# Altium PCB Copy of Board.PcbDoc (part 3 of 4)
Units mm, origin at the board's own origin, x right, y up, seen from the top; angles counter-clockwise.
Board outline 69.6 x 30 mm, 6 copper layers (Top Layer, Int1 (GND), Int2 (Sign), Int3 (Sign), Int4 (PWR), Bottom Layer), stack 1.538 mm thick; 168 components, 266 nets, 1359 pads, 531 vias.
Unrouted connection lines stored in the file: 254.
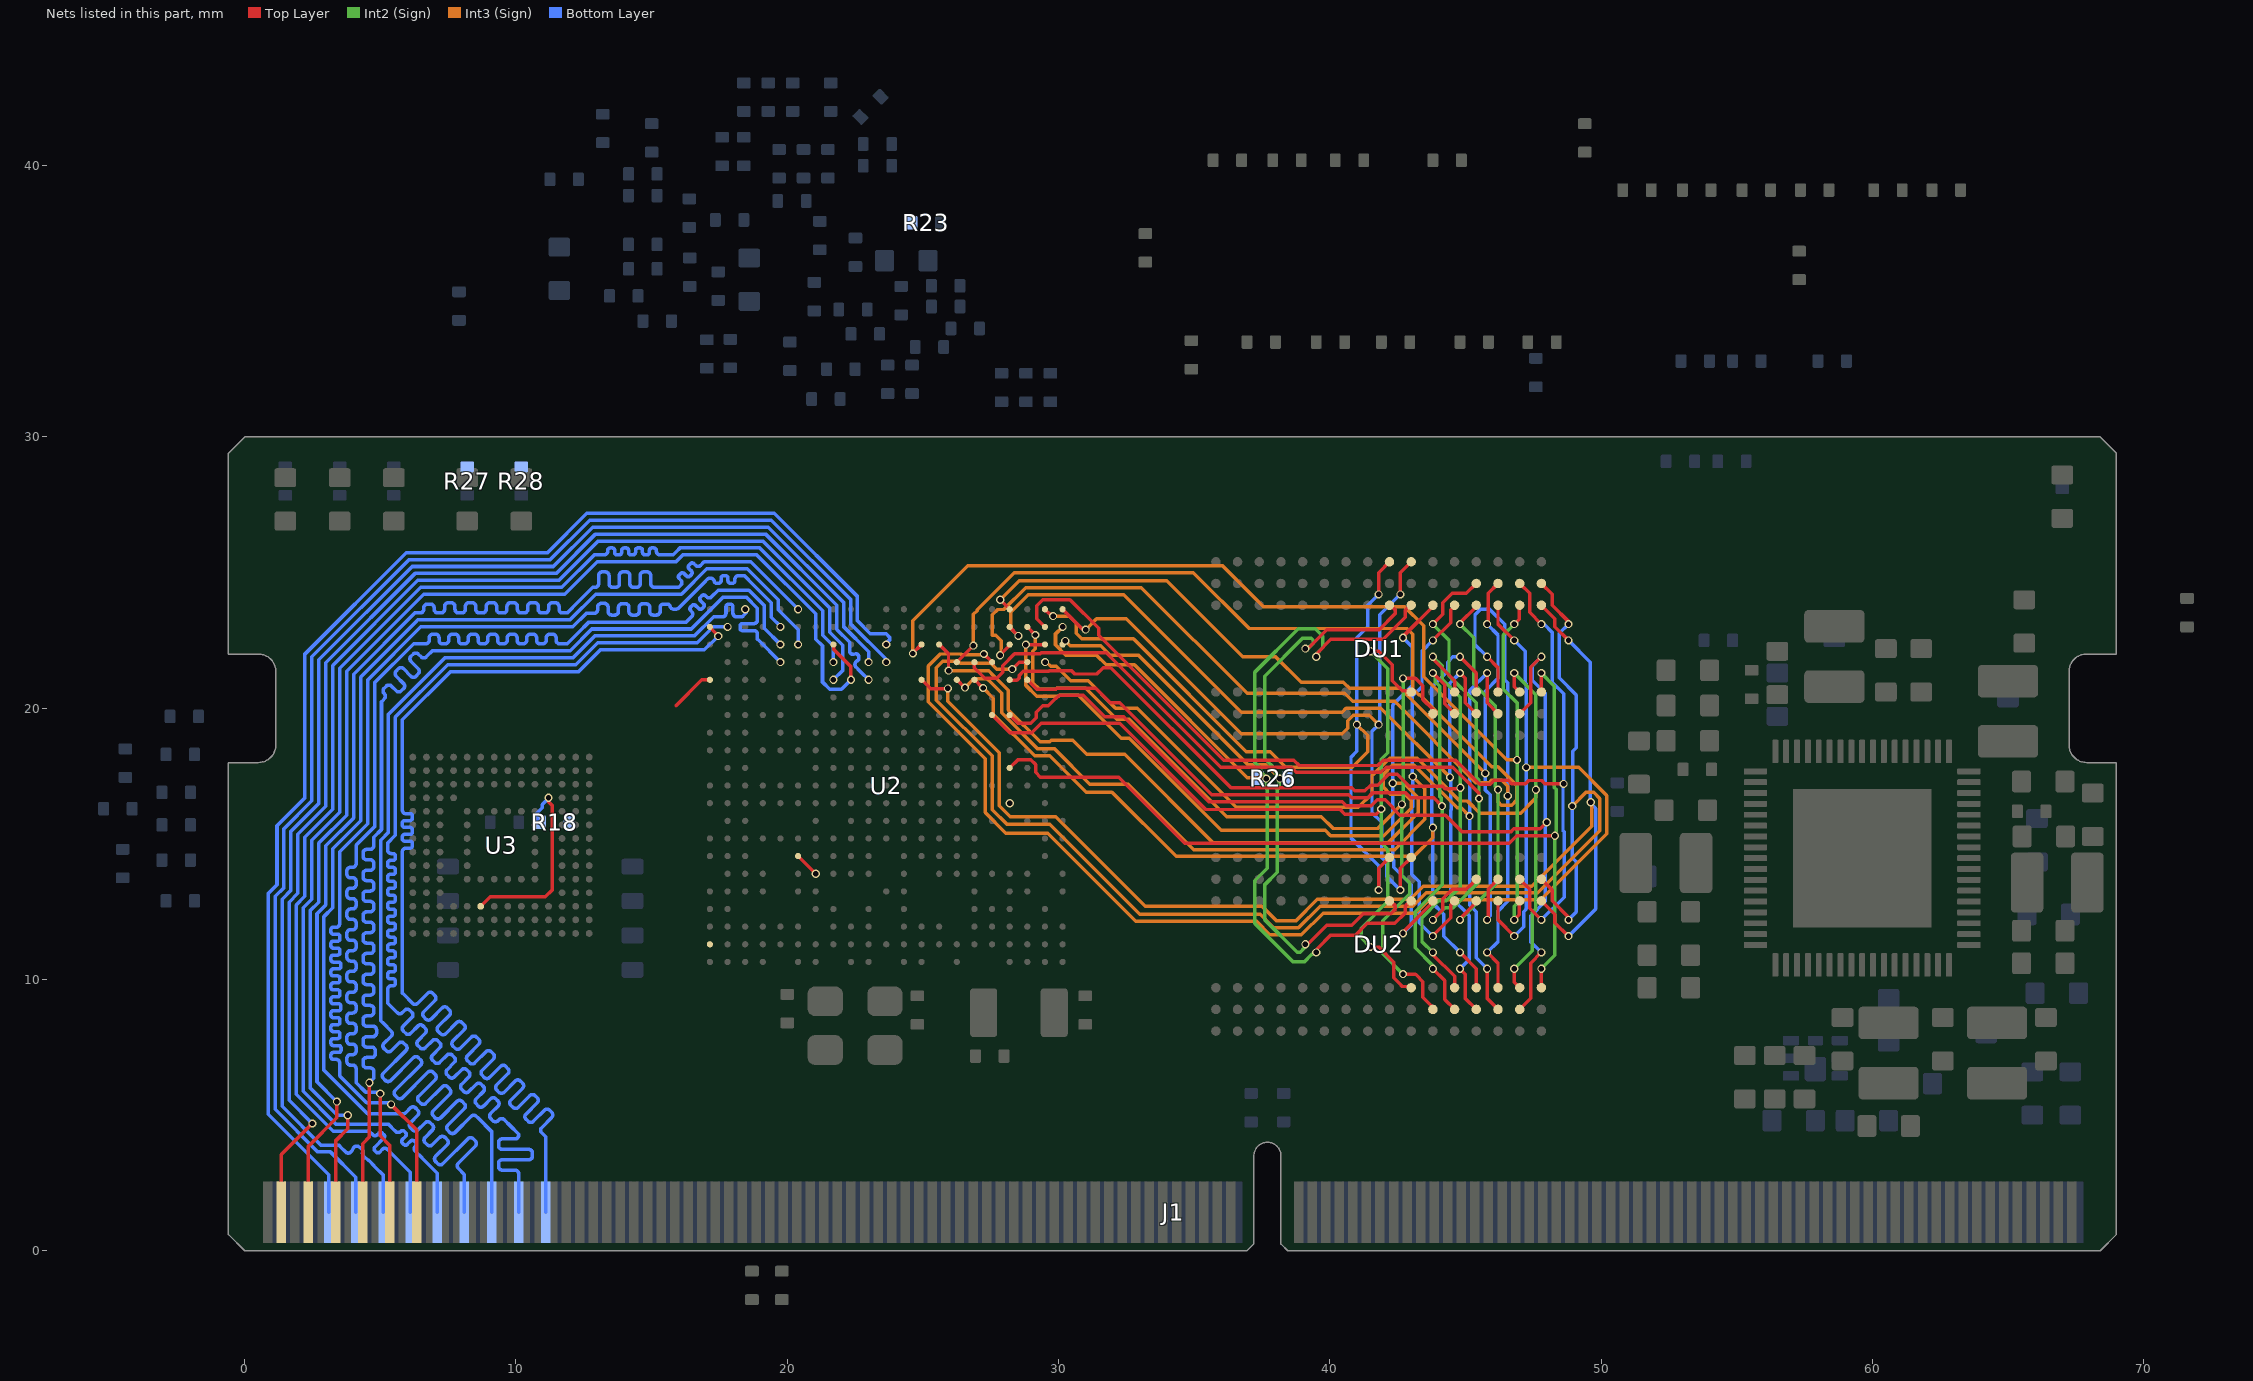
[diagram p6: the nets of this part, all layers, seen from the top]

## Via types
v1: diameter 0.3, hole 0.2, Top Layer to Bottom Layer, tented both sides, 363 vias
v2: diameter 0.45, hole 0.2, Top Layer to Bottom Layer, tented both sides, 117 vias
v3: diameter 0.4, hole 0.2, Top Layer to Bottom Layer, tented both sides, 35 vias
v4: diameter 0.8, hole 0.3, Top Layer to Bottom Layer, 16 vias

## Nets (pads, with @x,y where several pads share a name; then routed paths per layer and width w, separated by ;. In a path a pad name is that pad's centre, name@x,y a point inside that pad or via, vN(x,y) a via of type N, cw(c..) or ccw(c..) an arc to the next point about the centre after c; other vN are vias at no path point) (continued)
NetR18_1: R18.1 U2.A17 | length 1.6
  Top Layer w0.127: 15.9,20.1 16.844,21.044 17.144,21.044 U2.A17@17.15,21.05
NetR18_2: R18.2 U3.M6 | length 7.3
  Top Layer w0.127: U3.M6@8.7,12.7 9.046,13.046 11.082,13.046 11.329,13.294 11.329,16.43 v1@11.2,16.559
  Bottom Layer w0.127: R18.2@10.9,15.8 10.764,15.936 10.764,16.136 10.965,16.338 10.965,16.453 11.2,16.688 v1(11.2,16.7)
NetR23_2: R23.2 U2.V10
  other v1: 28.2,16.5
NetR27_2: R27.2 U2.A2
NetR28_2: R28.2 U2.F7 | length 0.9
  Top Layer w0.127: U2.F7@20.4,14.55 v1(21.05,13.9)
RGMII_CLKIN: J1.18 U2.K18 | length 48.6
  Bottom Layer w0.13: J1.18@5.1,1.422 5.1,2.8 4.796,3.104 4.749,3.151 4.603,3.297 4.567,3.333 ccw(c4.405,3.171) 4.538,3.357 4.432,3.433 cw(c4.565,3.62) 4.337,3.594 ccw(c4.224,3.665) 4.295,3.779 4.198,3.84 ccw(c4.126,3.726) 4.013,3.798 3.929,3.666 cw(c3.816,3.737) 3.721,3.642 3.54,3.823 3.493,3.87 3.463,3.9 2.805,3.9 1.383,5.323 1.383,12.96 1.704,13.281 1.704,15.458 2.735,16.488 2.735,21.788 6.173,25.226 11.375,25.226 12.827,26.678 19.306,26.678 22.076,23.908 22.076,23.012 23,22.088 v1(23,21.7)
RGMII_MDC: J1.14 U2.L18 | length 48.6
  Bottom Layer w0.13: J1.14@4.1,1.422 4.1,2.706 3.162,3.643 2.699,3.643 1.126,5.216 1.126,13.066 1.448,13.387 1.448,15.564 2.478,16.594 2.478,21.894 6.066,25.483 11.269,25.483 12.721,26.935 19.412,26.935 22.333,24.015 22.333,23.119 23.701,21.751 v1(23.65,21.7)
RGMII_MDIO: J1.10 U2.L19 | length 48.5
  Bottom Layer w0.13: J1.10@3.1,1.422 3.1,2.8 0.87,5.03 0.87,13.172 1.191,13.494 1.191,15.67 2.222,16.701 2.222,22.001 5.96,25.739 11.162,25.739 12.615,27.192 19.519,27.192 22.589,24.121 22.589,23.225 23.063,22.751 23.644,22.751 23.771,22.624 23.771,22.517 23.65,22.396 v1(23.65,22.35) v1@23.683,22.383
RGMII_RX0: J1.26 U2.H18 | length 48.6
  Bottom Layer w0.13: J1.26@7.1,1.422 7.1,2.863 6.564,3.399 6.518,3.445 6.29,3.673 cw(c6.382,3.764) 6.289,3.855 6.301,3.867 ccw(c6.237,3.93) 6.299,3.994 6.245,4.048 ccw(c6.182,3.984) 6.118,4.047 5.995,3.922 cw(c5.931,3.985) 5.868,3.921 5.813,3.975 cw(c5.876,4.039) 5.812,4.102 5.935,4.226 ccw(c5.87,4.289) 5.933,4.353 5.878,4.407 ccw(c5.816,4.343) 5.751,4.406 5.747,4.401 cw(c5.654,4.492) 5.563,4.4 5.439,4.524 5.393,4.57 5.305,4.658 3.377,4.658 2.152,5.882 2.152,12.641 2.474,12.962 2.474,15.139 3.504,16.169 3.504,21.469 6.491,24.457 11.694,24.457 12.894,25.657 13.187,25.657 13.251,25.657 ccw(c13.251,25.786) 13.381,25.786 13.381,25.819 cw(c13.471,25.819) 13.471,25.909 13.548,25.909 cw(c13.548,25.819) 13.638,25.819 13.638,25.746 ccw(c13.727,25.746) 13.727,25.657 13.804,25.657 ccw(c13.804,25.746) 13.894,25.746 13.894,25.819 cw(c13.984,25.819) 13.984,25.909 14.061,25.909 cw(c14.061,25.819) 14.151,25.819 14.151,25.746 ccw(c14.24,25.746) 14.24,25.657 14.317,25.657 ccw(c14.317,25.746) 14.407,25.746 14.407,25.819 cw(c14.497,25.819) 14.497,25.909 14.574,25.909 cw(c14.574,25.819) 14.664,25.819 14.664,25.746 ccw(c14.754,25.746) 14.754,25.657 14.83,25.657 ccw(c14.83,25.746) 14.92,25.746 14.92,25.819 cw(c15.01,25.819) 15.01,25.909 15.087,25.909 cw(c15.087,25.819) 15.177,25.819 15.177,25.786 ccw(c15.306,25.786) 15.306,25.657 15.794,25.657 15.906,25.769 16.046,25.909 18.987,25.909 21.307,23.59 21.307,22.693 21.7,22.3 v1(21.7,21.7)
RGMII_RX1: J1.38 U2.B20 | length 49.1
  Bottom Layer w0.13: J1.38@10.1,1.422 10.1,2.425 10.1,2.84 ccw(c9.966,2.84) 9.966,2.974 9.491,2.974 cw(c9.491,3.108) 9.357,3.108 9.357,3.223 cw(c9.491,3.223) 9.491,3.357 10.474,3.357 ccw(c10.474,3.492) 10.608,3.492 10.608,3.607 ccw(c10.474,3.607) 10.474,3.741 9.491,3.741 cw(c9.491,3.875) 9.357,3.875 9.357,3.99 cw(c9.491,3.99) 9.491,4.125 9.966,4.125 ccw(c9.966,4.259) 10.1,4.259 10.1,4.3 9.76,4.64 9.61,4.79 9.564,4.836 ccw(c9.47,4.742) 9.376,4.836 9.339,4.798 cw(c9.245,4.892) 9.151,4.798 9.071,4.879 cw(c9.164,4.973) 9.071,5.067 9.338,5.334 ccw(c9.244,5.428) 9.338,5.522 9.257,5.602 ccw(c9.163,5.508) 9.069,5.602 8.802,5.335 cw(c8.708,5.429) 8.614,5.335 8.534,5.416 cw(c8.628,5.509) 8.534,5.603 8.801,5.871 ccw(c8.707,5.965) 8.801,6.059 8.721,6.139 ccw(c8.627,6.045) 8.533,6.139 8.265,5.872 cw(c8.171,5.966) 8.078,5.872 7.997,5.952 cw(c8.091,6.046) 7.997,6.14 8.265,6.408 ccw(c8.171,6.502) 8.265,6.596 8.184,6.676 ccw(c8.09,6.582) 7.996,6.676 7.729,6.409 cw(c7.635,6.502) 7.541,6.409 7.46,6.489 cw(c7.554,6.583) 7.46,6.677 7.728,6.945 ccw(c7.634,7.039) 7.728,7.133 7.648,7.213 ccw(c7.554,7.119) 7.46,7.213 7.192,6.945 cw(c7.098,7.039) 7.004,6.945 6.924,7.026 cw(c7.017,7.12) 6.924,7.214 7.192,7.482 ccw(c7.098,7.576) 7.192,7.67 7.111,7.75 ccw(c7.017,7.656) 6.923,7.75 6.655,7.482 cw(c6.561,7.576) 6.467,7.482 6.387,7.563 cw(c6.481,7.656) 6.387,7.75 6.656,8.019 ccw(c6.562,8.113) 6.656,8.207 6.575,8.288 ccw(c6.481,8.194) 6.387,8.288 6.118,8.019 cw(c6.024,8.113) 5.931,8.019 5.85,8.099 cw(c5.944,8.193) 5.85,8.287 6.163,8.6 ccw(c6.069,8.694) 6.163,8.788 6.082,8.868 ccw(c5.988,8.774) 5.894,8.868 5.807,8.781 cw(c5.713,8.875) 5.619,8.781 5.418,8.982 5.272,9.128 5.272,9.321 5.272,9.642 cw(c5.402,9.642) 5.402,9.772 5.468,9.772 ccw(c5.468,9.862) 5.558,9.862 5.558,9.939 ccw(c5.468,9.939) 5.468,10.028 5.362,10.028 cw(c5.362,10.118) 5.272,10.118 5.272,10.195 cw(c5.362,10.195) 5.362,10.285 5.468,10.285 ccw(c5.468,10.375) 5.558,10.375 5.558,10.452 ccw(c5.468,10.452) 5.468,10.541 5.362,10.541 cw(c5.362,10.631) 5.272,10.631 5.272,10.708 cw(c5.362,10.708) 5.362,10.798 5.468,10.798 ccw(c5.468,10.888) 5.558,10.888 5.558,10.965 ccw(c5.468,10.965) 5.468,11.054 5.362,11.054 cw(c5.362,11.144) 5.272,11.144 5.272,11.221 cw(c5.362,11.221) 5.362,11.311 5.468,11.311 ccw(c5.468,11.401) 5.558,11.401 5.558,11.478 ccw(c5.468,11.478) 5.468,11.568 5.362,11.568 cw(c5.362,11.657) 5.272,11.657 5.272,11.734 cw(c5.362,11.734) 5.362,11.824 5.468,11.824 ccw(c5.468,11.914) 5.558,11.914 5.558,11.991 ccw(c5.468,11.991) 5.468,12.081 5.362,12.081 cw(c5.362,12.17) 5.272,12.17 5.272,12.247 cw(c5.362,12.247) 5.362,12.337 5.468,12.337 ccw(c5.468,12.427) 5.558,12.427 5.558,12.504 ccw(c5.468,12.504) 5.468,12.594 5.362,12.594 cw(c5.362,12.683) 5.272,12.683 5.272,12.76 cw(c5.362,12.76) 5.362,12.85 5.468,12.85 ccw(c5.468,12.94) 5.558,12.94 5.558,13.017 ccw(c5.468,13.017) 5.468,13.107 5.362,13.107 cw(c5.362,13.197) 5.272,13.197 5.272,13.274 cw(c5.362,13.274) 5.362,13.363 5.468,13.363 ccw(c5.468,13.453) 5.558,13.453 5.558,13.53 ccw(c5.468,13.53) 5.468,13.62 5.362,13.62 cw(c5.362,13.71) 5.272,13.71 5.272,13.787 cw(c5.362,13.787) 5.362,13.876 5.468,13.876 ccw(c5.468,13.966) 5.558,13.966 5.558,14.043 ccw(c5.468,14.043) 5.468,14.133 5.362,14.133 cw(c5.362,14.223) 5.272,14.223 5.272,14.3 cw(c5.362,14.3) 5.362,14.389 5.468,14.389 ccw(c5.468,14.479) 5.558,14.479 5.558,14.556 ccw(c5.468,14.556) 5.468,14.646 5.402,14.646 cw(c5.402,14.776) 5.272,14.776 5.272,15.035 5.557,15.319 5.557,15.323 5.557,19.677 7.489,21.609 12.209,21.609 13.009,22.409 16.681,22.409 17.276,23.004 17.796,23.004 v1(17.8,23)
RGMII_RX2: J1.22 U2.H17 | length 48.5
  Bottom Layer w0.13: J1.22@6.1,1.422 6.1,2.9 5.306,3.694 5.26,3.74 ccw(c5.169,3.648) 5.077,3.74 4.977,3.64 cw(c4.913,3.703) 4.85,3.64 4.795,3.694 cw(c4.859,3.758) 4.795,3.821 5.131,4.157 ccw(c5.068,4.22) 5.131,4.284 5.077,4.338 ccw(c5.013,4.275) 4.95,4.338 4.897,4.286 cw(c4.806,4.377) 4.714,4.286 4.598,4.402 4.237,4.402 3.27,4.402 1.896,5.776 1.896,12.747 2.217,13.069 2.217,15.245 3.248,16.276 3.248,21.576 6.385,24.713 11.587,24.713 13.04,26.165 19.094,26.165 21.563,23.696 21.563,22.8 22.042,22.321 22.042,21.392 v1(21.7,21.05)
RGMII_RX3: J1.34 U2.C21 | length 48.6
  Bottom Layer w0.13: J1.34@9.1,1.422 9.1,4.4 8.586,4.914 8.54,4.96 ccw(c8.446,4.866) 8.353,4.96 7.754,4.361 cw(c7.66,4.455) 7.566,4.361 7.485,4.441 cw(c7.579,4.535) 7.485,4.629 8.096,5.239 ccw(c8.002,5.333) 8.096,5.427 8.015,5.508 ccw(c7.921,5.414) 7.827,5.508 7.217,4.898 cw(c7.123,4.992) 7.029,4.898 6.949,4.978 cw(c7.043,5.072) 6.949,5.166 7.559,5.776 ccw(c7.465,5.87) 7.559,5.964 7.478,6.044 ccw(c7.384,5.951) 7.29,6.044 6.68,5.434 cw(c6.586,5.528) 6.492,5.434 6.412,5.515 cw(c6.506,5.609) 6.412,5.703 7.022,6.313 ccw(c6.928,6.407) 7.022,6.501 6.942,6.581 ccw(c6.848,6.487) 6.754,6.581 5.817,5.645 cw(c5.723,5.739) 5.629,5.645 5.549,5.725 cw(c5.643,5.819) 5.549,5.913 6.485,6.85 ccw(c6.391,6.944) 6.485,7.037 6.405,7.118 ccw(c6.311,7.024) 6.217,7.118 5.378,6.279 cw(c5.284,6.373) 5.19,6.279 5.11,6.359 cw(c5.203,6.453) 5.11,6.547 5.949,7.386 ccw(c5.855,7.48) 5.949,7.574 5.868,7.655 ccw(c5.774,7.561) 5.68,7.655 5.403,7.378 cw(c5.309,7.472) 5.216,7.378 5.135,7.458 cw(c5.229,7.552) 5.135,7.646 5.4,7.912 ccw(c5.306,8.006) 5.4,8.1 5.097,8.403 5.016,8.484 5.016,15.141 5.3,15.426 5.3,19.783 7.383,21.866 12.103,21.866 12.903,22.666 16.575,22.666 17.285,23.376 17.548,23.376 17.613,23.376 ccw(c17.613,23.506) 17.742,23.506 17.742,23.744 cw(c17.832,23.744) 17.832,23.834 17.909,23.834 cw(c17.909,23.744) 17.999,23.744 17.999,23.506 ccw(c18.129,23.506) 18.129,23.376 18.35,23.376 18.402,23.429 18.494,23.521 18.494,23.56 18.45,23.604 v1(18.45,23.65)
RGMII_RXCK: J1.42 U2.A20 | length 48.6
  Top Layer w0.127: U2.A20@17.15,23 17.15,22.985 17.457,22.678 v1(17.457,22.663)
  Bottom Layer w0.127: J1.42@11.1,1.422 11.1,3.688 11.1,4.2 10.948,4.353 cw(c11.042,4.447) 10.948,4.541 11.321,4.914 ccw(c11.227,5.009) 11.321,5.103 11.24,5.184 ccw(c11.146,5.089) 11.051,5.184 10.639,4.771 cw(c10.545,4.865) 10.45,4.771 10.369,4.852 cw(c10.464,4.946) 10.369,5.04 10.782,5.453 ccw(c10.688,5.547) 10.782,5.642 10.701,5.723 ccw(c10.607,5.628) 10.513,5.723 10.078,5.288 cw(c9.984,5.382) 9.889,5.288 9.809,5.369 cw(c9.903,5.463) 9.809,5.557 10.243,5.992 ccw(c10.149,6.086) 10.243,6.18 10.162,6.261 ccw(c10.068,6.167) 9.974,6.261 9.561,5.848 cw(c9.466,5.942) 9.372,5.848 9.291,5.929 cw(c9.385,6.023) 9.291,6.117 9.704,6.531 ccw(c9.61,6.625) 9.704,6.719 9.624,6.8 ccw(c9.529,6.706) 9.435,6.8 9.022,6.387 cw(c8.928,6.481) 8.834,6.387 8.753,6.468 cw(c8.847,6.562) 8.753,6.657 9.166,7.07 ccw(c9.071,7.164) 9.166,7.258 9.085,7.339 ccw(c8.991,7.245) 8.896,7.339 8.484,6.926 cw(c8.389,7.021) 8.295,6.926 8.214,7.007 cw(c8.309,7.101) 8.214,7.196 8.627,7.608 ccw(c8.533,7.703) 8.627,7.797 8.546,7.878 ccw(c8.452,7.783) 8.357,7.878 7.945,7.465 cw(c7.851,7.56) 7.757,7.465 7.676,7.546 cw(c7.77,7.641) 7.676,7.735 8.088,8.147 ccw(c7.994,8.241) 8.088,8.336 8.007,8.417 ccw(c7.913,8.322) 7.819,8.417 7.407,8.005 cw(c7.312,8.099) 7.218,8.005 7.137,8.085 cw(c7.231,8.18) 7.137,8.274 7.549,8.686 ccw(c7.455,8.78) 7.549,8.875 7.468,8.955 ccw(c7.374,8.861) 7.28,8.955 6.868,8.544 cw(c6.774,8.638) 6.68,8.544 6.599,8.625 cw(c6.693,8.719) 6.599,8.814 7.01,9.225 ccw(c6.916,9.319) 7.01,9.413 6.93,9.494 ccw(c6.835,9.4) 6.741,9.494 6.374,9.127 cw(c6.279,9.221) 6.185,9.127 5.858,9.455 5.813,9.5 5.813,14.4 5.813,14.718 cw(c5.94,14.718) 5.94,14.845 6.094,14.845 ccw(c6.094,14.933) 6.183,14.933 6.183,15.01 ccw(c6.094,15.01) 6.094,15.099 5.901,15.099 cw(c5.901,15.187) 5.812,15.187 5.812,15.264 cw(c5.901,15.264) 5.901,15.353 6.094,15.353 ccw(c6.094,15.441) 6.183,15.441 6.183,15.518 ccw(c6.094,15.518) 6.094,15.607 5.901,15.607 cw(c5.901,15.695) 5.812,15.695 5.812,15.772 cw(c5.901,15.772) 5.901,15.861 6.094,15.861 ccw(c6.094,15.949) 6.183,15.949 6.183,16.026 ccw(c6.094,16.026) 6.094,16.115 5.94,16.115 cw(c5.94,16.242) 5.813,16.242 5.813,16.758 5.813,19.572 7.595,21.354 12.315,21.354 13.115,22.154 16.948,22.154 v1(17.457,22.663)
RGMII_RXCTL: J1.30 U2.F19 | length 48.5
  Bottom Layer w0.13: J1.30@8.1,1.422 8.1,2.447 8.1,2.812 7.87,3.041 cw(c7.965,3.136) 7.87,3.231 8.501,3.862 ccw(c8.406,3.956) 8.501,4.051 8.419,4.133 ccw(c8.325,4.038) 8.23,4.133 7.306,3.209 cw(c7.211,3.304) 7.116,3.209 7.035,3.291 cw(c7.13,3.386) 7.035,3.48 7.464,3.91 ccw(c7.369,4.005) 7.464,4.1 7.383,4.181 ccw(c7.288,4.086) 7.193,4.181 6.92,3.908 cw(c6.826,4.003) 6.731,3.908 6.649,3.99 cw(c6.744,4.085) 6.649,4.18 6.922,4.452 ccw(c6.827,4.547) 6.922,4.642 6.841,4.723 ccw(c6.746,4.629) 6.651,4.723 6.383,4.456 cw(c6.288,4.551) 6.193,4.456 6.112,4.537 cw(c6.207,4.632) 6.112,4.727 6.379,4.995 ccw(c6.285,5.09) 6.379,5.184 6.298,5.266 ccw(c6.203,5.171) 6.108,5.266 5.936,5.093 cw(c5.841,5.188) 5.841,5.054 5.154,5.054 4.528,5.054 2.922,6.66 2.922,12.322 3.243,12.643 3.243,14.82 4.274,15.851 4.274,21.151 6.323,23.2 6.38,23.257 11.994,23.257 12.937,24.2 16.1,24.2 17.039,25.139 18.532,25.139 19.67,24.002 19.67,23.63 20.4,22.9 v1(20.4,22.35)
RGMII_TXCK: J1.19 U2.E19 | length 47
  Top Layer w0.13: v1(4.996,5.796) 4.996,4.238 5.35,3.883 J1.19@5.35,1.422
  Bottom Layer w0.13: v1(4.996,5.796) 4.937,5.854 4.454,5.854 4.107,6.201 4.107,6.649 4.107,6.714 ccw(c3.973,6.714) 3.973,6.848 3.903,6.848 cw(c3.903,6.982) 3.769,6.982 3.769,7.097 cw(c3.903,7.097) 3.903,7.231 3.973,7.231 ccw(c3.973,7.366) 4.107,7.366 4.107,7.481 ccw(c3.973,7.481) 3.973,7.615 3.903,7.615 cw(c3.903,7.749) 3.769,7.749 3.769,7.864 cw(c3.903,7.864) 3.903,7.999 3.973,7.999 ccw(c3.973,8.133) 4.108,8.133 4.108,8.248 ccw(c3.973,8.248) 3.973,8.382 3.903,8.382 cw(c3.903,8.516) 3.769,8.516 3.769,8.631 cw(c3.903,8.631) 3.903,8.766 3.973,8.766 ccw(c3.973,8.9) 4.108,8.9 4.108,9.015 ccw(c3.973,9.015) 3.973,9.149 3.903,9.149 cw(c3.903,9.283) 3.769,9.283 3.769,9.398 cw(c3.903,9.398) 3.903,9.533 3.974,9.533 ccw(c3.974,9.667) 4.108,9.667 4.108,9.782 ccw(c3.974,9.782) 3.974,9.916 3.903,9.916 cw(c3.903,10.051) 3.769,10.051 3.769,10.166 cw(c3.903,10.166) 3.903,10.3 3.974,10.3 ccw(c3.974,10.434) 4.108,10.434 4.108,10.549 ccw(c3.974,10.549) 3.974,10.683 3.903,10.683 cw(c3.903,10.818) 3.769,10.818 3.769,10.933 cw(c3.903,10.933) 3.903,11.067 3.974,11.067 ccw(c3.974,11.201) 4.108,11.201 4.108,11.316 ccw(c3.974,11.316) 3.974,11.45 3.903,11.45 cw(c3.903,11.585) 3.769,11.585 3.769,11.7 cw(c3.903,11.7) 3.903,11.834 3.974,11.834 ccw(c3.974,11.968) 4.108,11.968 4.108,12.083 ccw(c3.974,12.083) 3.974,12.218 3.903,12.218 cw(c3.903,12.352) 3.769,12.352 3.769,12.467 cw(c3.903,12.467) 3.903,12.601 3.974,12.601 ccw(c3.974,12.735) 4.108,12.735 4.108,12.85 ccw(c3.974,12.85) 3.974,12.985 3.903,12.985 cw(c3.903,13.119) 3.769,13.119 3.769,13.234 cw(c3.903,13.234) 3.903,13.368 3.974,13.368 ccw(c3.974,13.502) 4.108,13.502 4.108,13.617 ccw(c3.974,13.617) 3.974,13.752 3.903,13.752 cw(c3.903,13.886) 3.769,13.886 3.769,14.001 cw(c3.903,14.001) 3.903,14.135 3.973,14.135 ccw(c3.973,14.269) 4.107,14.269 4.107,14.958 4.787,15.638 4.787,20.938 6.228,22.379 6.61,22.379 6.675,22.379 ccw(c6.675,22.508) 6.805,22.508 6.805,22.601 cw(c6.93,22.601) 6.93,22.727 7.038,22.727 cw(c7.038,22.601) 7.164,22.601 7.164,22.505 ccw(c7.29,22.505) 7.29,22.379 7.398,22.379 ccw(c7.398,22.505) 7.524,22.505 7.524,22.601 cw(c7.65,22.601) 7.65,22.727 7.757,22.727 cw(c7.757,22.601) 7.883,22.601 7.883,22.505 ccw(c8.009,22.505) 8.009,22.379 8.117,22.379 ccw(c8.117,22.505) 8.243,22.505 8.243,22.601 cw(c8.369,22.601) 8.369,22.727 8.476,22.727 cw(c8.476,22.601) 8.602,22.601 8.602,22.505 ccw(c8.728,22.505) 8.728,22.379 8.836,22.379 ccw(c8.836,22.505) 8.962,22.505 8.962,22.601 cw(c9.088,22.601) 9.088,22.727 9.196,22.727 cw(c9.196,22.601) 9.321,22.601 9.321,22.505 ccw(c9.447,22.505) 9.447,22.379 9.555,22.379 ccw(c9.555,22.505) 9.681,22.505 9.681,22.601 cw(c9.807,22.601) 9.807,22.727 9.915,22.727 cw(c9.915,22.601) 10.04,22.601 10.04,22.505 ccw(c10.166,22.505) 10.166,22.379 10.274,22.379 ccw(c10.274,22.505) 10.4,22.505 10.4,22.601 cw(c10.526,22.601) 10.526,22.727 10.634,22.727 cw(c10.634,22.601) 10.76,22.601 10.76,22.505 ccw(c10.885,22.505) 10.885,22.379 10.993,22.379 ccw(c10.993,22.505) 11.119,22.505 11.119,22.601 cw(c11.245,22.601) 11.245,22.727 11.353,22.727 cw(c11.353,22.601) 11.479,22.601 11.479,22.508 ccw(c11.608,22.508) 11.608,22.379 11.89,22.379 12.272,22.76 12.69,23.179 16.279,23.179 16.435,23.335 16.481,23.381 ccw(c16.389,23.473) 16.481,23.564 16.438,23.608 cw(c16.501,23.671) 16.438,23.734 16.492,23.789 cw(c16.556,23.725) 16.619,23.789 16.732,23.676 ccw(c16.796,23.739) 16.859,23.676 16.913,23.73 ccw(c16.85,23.794) 16.913,23.857 16.8,23.97 cw(c16.864,24.034) 16.8,24.097 16.855,24.152 cw(c16.918,24.088) 16.982,24.152 17.025,24.108 ccw(c17.117,24.2) 17.208,24.108 17.457,24.357 18.59,24.357 19.157,23.79 19.157,22.943 v1(19.75,22.35)
RGMII_TXCTL: J1.3 U2.K17 | length 47
  Top Layer w0.13: J1.3@1.35,1.422 1.35,3.55 v1(2.494,4.694)
  Bottom Layer w0.13: v1(2.494,4.694) 1.639,5.549 1.639,12.853 1.961,13.175 1.961,15.352 2.991,16.382 2.991,21.682 6.279,24.97 11.481,24.97 12.934,26.422 19.2,26.422 21.82,23.802 21.82,22.906 22.298,22.427 22.298,22.225 22.298,22.117 ccw(c22.428,22.117) 22.45,21.989 22.525,22.002 cw(c22.541,21.914) 22.629,21.93 22.643,21.854 cw(c22.554,21.838) 22.57,21.75 ccw(c22.648,21.618) 22.539,21.511 22.656,21.394 22.712,21.338 v1(23,21.05)
RGMII_TXD0: J1.11 U2.H19 | length 46.9
  Top Layer w0.13: J1.11@3.35,1.422 3.35,4.05 3.8,4.5 v1(3.8,5) ; U2.H19@21.7,22.35 21.719,22.331 21.719,22.164 22.35,21.533 v1(22.35,21.05)
  Bottom Layer w0.13: v1(3.8,5) 3.417,5 2.409,6.008 2.409,12.534 2.73,12.856 2.73,15.033 3.761,16.063 3.761,21.363 6.598,24.2 11.8,24.2 13,25.4 15.9,25.4 16.152,25.652 18.881,25.652 21.05,23.483 21.05,22.55 21.3,22.3 21.3,20.967 21.567,20.7 22,20.7 v1(22.35,21.05)
RGMII_TXD1: J1.7 U2.F21 | length 47.1
  Top Layer w0.13: J1.7@2.35,1.422 2.35,3.85 3.4,4.9 v1(3.4,5.5)
  Bottom Layer w0.13: v1(3.4,5.5) 2.665,6.235 2.665,12.428 2.987,12.75 2.987,14.927 4.017,15.957 4.017,21.257 6.217,23.457 6.273,23.513 6.402,23.513 6.467,23.513 ccw(c6.467,23.647) 6.601,23.647 6.601,23.706 cw(c6.735,23.706) 6.735,23.84 6.85,23.84 cw(c6.85,23.706) 6.984,23.706 6.984,23.647 ccw(c7.119,23.647) 7.119,23.513 7.234,23.513 ccw(c7.234,23.647) 7.368,23.647 7.368,23.754 cw(c7.502,23.754) 7.502,23.888 7.617,23.888 cw(c7.617,23.754) 7.751,23.754 7.751,23.647 ccw(c7.886,23.647) 7.886,23.513 8.001,23.513 ccw(c8.001,23.647) 8.135,23.647 8.135,23.754 cw(c8.269,23.754) 8.269,23.888 8.384,23.888 cw(c8.384,23.754) 8.518,23.754 8.518,23.647 ccw(c8.653,23.647) 8.653,23.513 8.768,23.513 ccw(c8.768,23.647) 8.902,23.647 8.902,23.754 cw(c9.036,23.754) 9.036,23.888 9.151,23.888 cw(c9.151,23.754) 9.286,23.754 9.286,23.647 ccw(c9.42,23.647) 9.42,23.513 9.535,23.513 ccw(c9.535,23.647) 9.669,23.647 9.669,23.754 cw(c9.803,23.754) 9.803,23.888 9.918,23.888 cw(c9.918,23.754) 10.053,23.754 10.053,23.647 ccw(c10.187,23.647) 10.187,23.513 10.302,23.513 ccw(c10.302,23.647) 10.436,23.647 10.436,23.754 cw(c10.57,23.754) 10.57,23.888 10.685,23.888 cw(c10.685,23.754) 10.82,23.754 10.82,23.647 ccw(c10.954,23.647) 10.954,23.513 11.069,23.513 ccw(c11.069,23.647) 11.203,23.647 11.203,23.754 cw(c11.337,23.754) 11.337,23.888 11.453,23.888 cw(c11.453,23.754) 11.587,23.754 11.587,23.647 ccw(c11.721,23.647) 11.721,23.513 11.887,23.513 12.297,23.922 12.831,24.457 12.848,24.457 12.912,24.457 ccw(c12.912,24.591) 13.047,24.591 13.047,24.893 cw(c13.181,24.893) 13.181,25.028 13.296,25.028 cw(c13.296,24.893) 13.43,24.893 13.43,24.591 ccw(c13.564,24.591) 13.564,24.457 13.68,24.457 ccw(c13.68,24.591) 13.814,24.591 13.814,24.893 cw(c13.948,24.893) 13.948,25.028 14.063,25.028 cw(c14.063,24.893) 14.197,24.893 14.197,24.591 ccw(c14.332,24.591) 14.332,24.457 14.447,24.457 ccw(c14.447,24.591) 14.581,24.591 14.581,24.893 cw(c14.715,24.893) 14.715,25.028 14.83,25.028 cw(c14.83,24.893) 14.964,24.893 14.964,24.591 ccw(c15.099,24.591) 15.099,24.457 15.879,24.457 15.887,24.457 15.994,24.457 16.078,24.541 ccw(c15.986,24.632) 16.078,24.724 16.015,24.786 cw(c16.078,24.85) 16.015,24.913 16.069,24.968 cw(c16.133,24.904) 16.196,24.968 16.287,24.877 ccw(c16.351,24.94) 16.414,24.877 16.469,24.931 ccw(c16.405,24.995) 16.469,25.058 16.378,25.149 cw(c16.441,25.213) 16.378,25.276 16.432,25.331 cw(c16.496,25.267) 16.559,25.331 16.622,25.268 ccw(c16.714,25.36) 16.805,25.268 16.933,25.396 17.158,25.396 18.654,25.396 v1(20.4,23.65)